# Altium PCB Wl-FRONT.PcbDoc
Units mm, origin at the board's own origin, x right, y up, seen from the top; angles counter-clockwise.
Board outline 140 x 64.5 mm, 2 copper layers (Top Layer, Bottom Layer), stack 1.671 mm thick; 48 components, 51 nets, 275 pads, 206 vias.
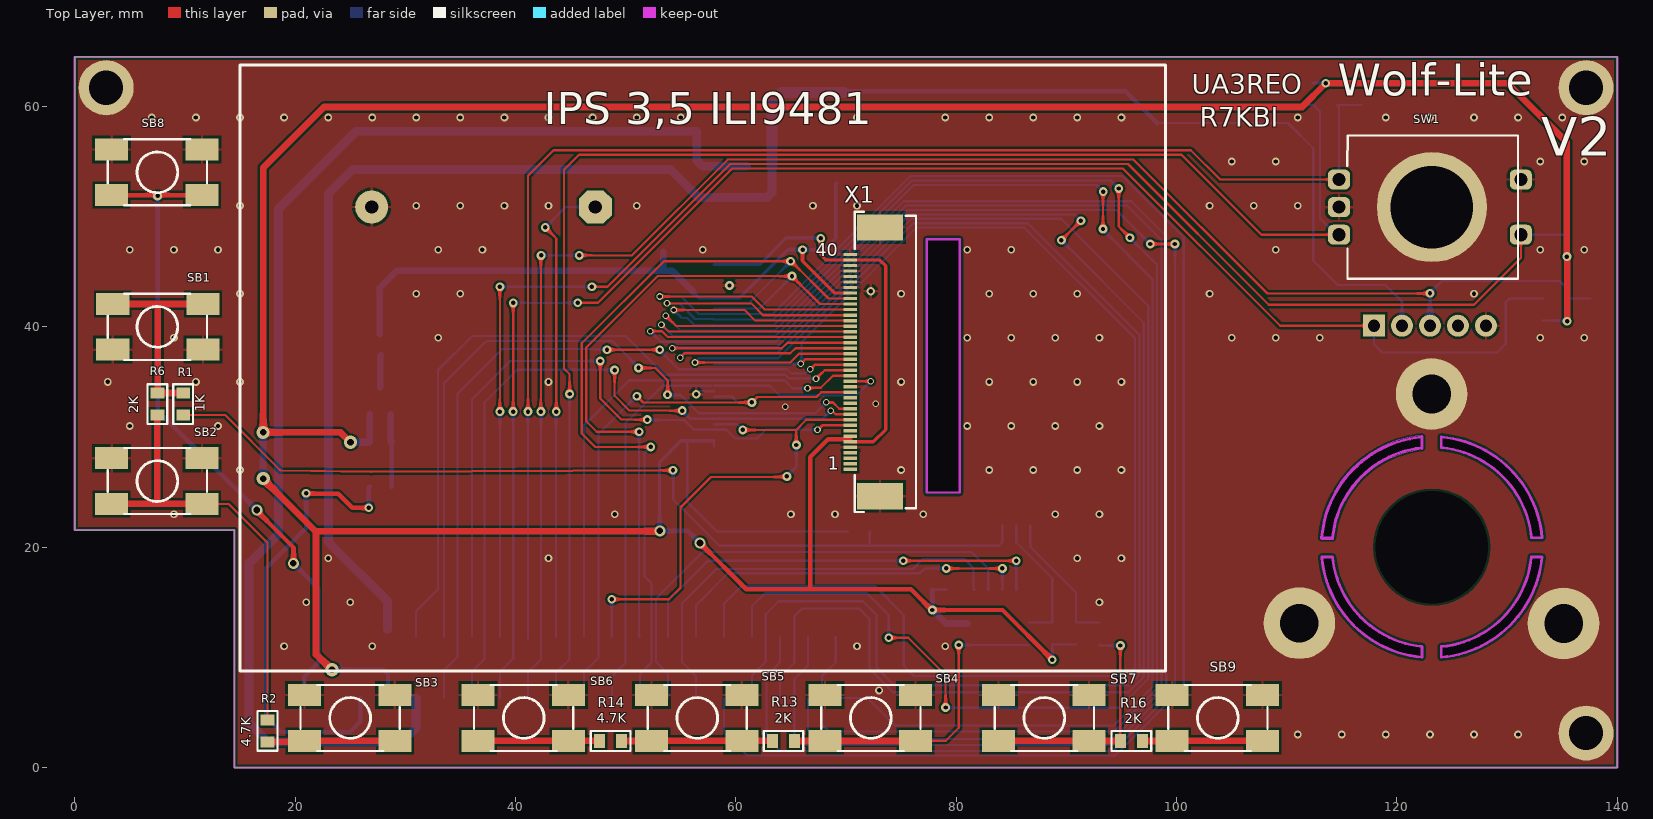
[diagram p0: Top Layer view]
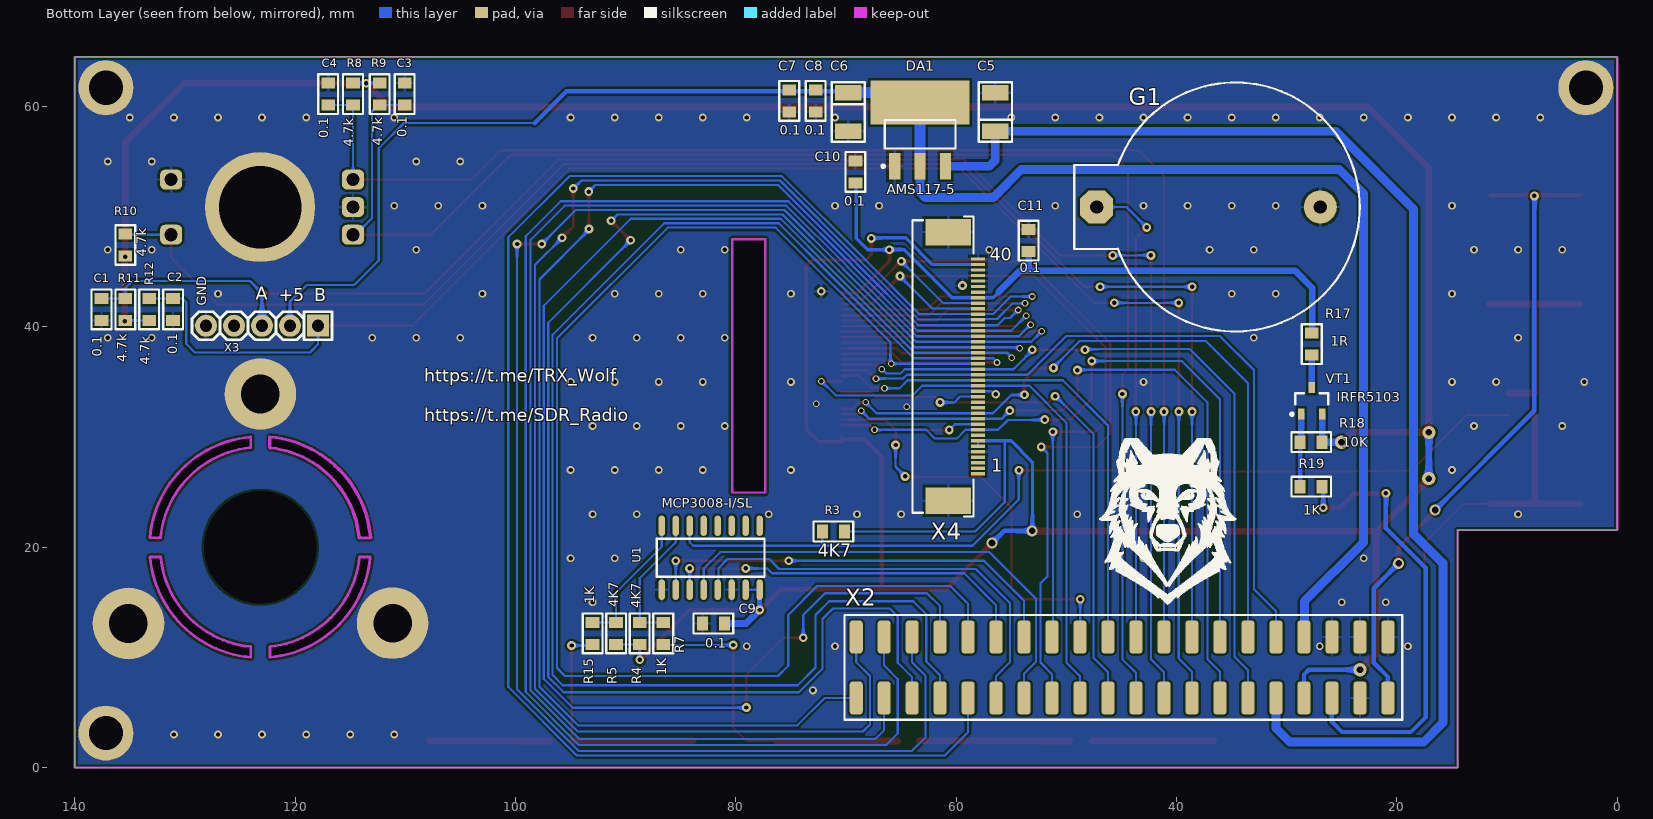
[diagram p1: Bottom Layer view, seen from below]

## Layer stack, top to bottom
Top Solder: solder mask 0.0102, Solder Resist, Dk 3.5
Top Layer: signal copper 0.0356
Dielectric 1: dielectric 1.6, FR-4, Dk 4.8
Bottom Layer: signal copper 0.0356
Bottom Solder: solder mask 0.0102, Solder Resist, Dk 3.5

## Board outline
0,21.55 0,64.5 140,64.5 140,0 14.5,0 14.5,21.55
cut-out: 113.138,20.756 ccw(c113.225,20.85) 113.225,20.722 114.15,20.722 ccw(c114.15,20.85) 114.277,20.85 ccw(c114.15,20.85) 114.277,20.851 ccw(c114.152,20.872) 114.279,20.86 cw(c123.175,20) 122.242,28.889 ccw(c122.229,29.016) 122.346,28.966 ccw(c122.25,29.05) 122.377,29.05 122.377,29.975 ccw(c122.25,29.975) 122.306,30.089 ccw(c122.229,29.988) 122.217,30.115 ccw(c123.175,20) 113.054,20.888 ccw(c113.18,20.877)
cut-out: 113.179,19.098 ccw(c123.175,20) 122.269,10.004 122.275,10.025 122.275,10.975 122.273,10.984 cw(c123.175,20) 114.16,19.089 114.15,19.1
cut-out: 124.039,10.004 ccw(c123.175,20) 133.168,19.101 133.15,19.1 132.2,19.1 cw(c123.175,20) 124.048,10.972 124.025,10.975
cut-out: 124.024,29.036 cw(c123.175,20) 132.209,20.869 132.225,20.85 133.175,20.85 133.176,20.848 ccw(c123.175,20) 124.029,30 124.025,29.975
cut-out: 77.325,24.95 80.325,24.95 80.325,47.95 77.325,47.95

## Design rules (kind name [scope] priority, off if disabled: settings)
Clearance [All] p1: gap=0.2 ignorepadtopadclearanceinfootprint=FALSE except(0: Arc-Hole Track-Hole SMDPad-Hole THPad-Hole Via-Hole Fill-Hole Poly-Hole Region-Hole Text-Hole)
ComponentClearance [All] p1: gap=0 collisioncheckmode=3 verticalgap=0 showdistances=FALSE
PolygonConnect [All] p1: connectstyle=Relief reliefconductorwidth=0.254 reliefentries=4 polygonreliefangle="90 Angle" airgapwidth=0.254
RoutingVias [All] p1: holewidth=0.4 width=0.8 viastyle="Through Hole" minholewidth=0.3 minwidth=0.6 maxholewidth=4 maxwidth=5
SolderMaskExpansion [All] p1: expansion=0.102 istentingtop=FALSE
Width [All] p1: maxlimit=1 minlimit=0.15 preferedwidth=0.2
29 further rules are at their usual default settings.

## Components (designator, comment, footprint, x,y, rotation, side; value= is the part's Value field where it differs from the comment)
C1 "0.1" CH0805C 137.575,41.575 r270 bottom
C2 "0.1" CH0805C 131.075,41.575 r270 bottom
C3 "0.1" CH0805C 110.05,61.125 r90 bottom
C4 "0.1" CH0805C 117,61.125 r90 bottom
C5 "10uF 10V" TANTAL_B 56.446,59.5 r90 bottom
C6 "10uF 10V" TANTAL_B 69.8,59.5 r270 bottom
C7 "0.1" CH0805C 75.15,60.5 r270 bottom
C8 "0.1" CH0805C 72.75,60.5 r270 bottom
C9 "0.1" CH0805C 82.03,13.076 r180 bottom
C10 "0.1" CH0805C 69.15,54.056 r90 bottom
C11 "0.1" CH0805C 53.425,47.828 r90 bottom
DA1 "AMS117-5" SOT223 63.275,57.475 r90 bottom
G1 "3V" "BAT: CH224-2032" 37.1,50.875 r180 bottom
R1 "1K" CH0805R 9.842,32.988 r90 top
R2 "4.7K" CH0805R 17.495,3.325 r270 top
R3 "4K7" CH0805R 71.15,21.427 r180 bottom
R4 "4K7" CH0805R 88.724,12.176 r270 bottom
R5 "4K7" CH0805R 90.863,12.176 r270 bottom
R6 "2K" CH0805R 7.5,32.988 r270 top
R7 "1K" CH0805R 86.585,12.176 r270 bottom
R8 "4.7k" CH0805R 114.75,61.125 r270 bottom
R9 "4.7k" CH0805R 112.325,61.125 r270 bottom
R10 "4.7k" CH0805R 135.408,47.425 r90 bottom
R11 "4.7k" CH0805R 135.408,41.575 r90 bottom
R12 "4.7k" CH0805R 133.242,41.575 r90 bottom
R13 "2K" CH0805R 64.327,2.413 r180 top
R14 "4.7K" CH0805R 48.64,2.413 r180 top
R15 "1K" CH0805R 93.002,12.176 r270 bottom
R16 "2K" CH0805R 95.9,2.413 r0 top
R17 "1R" CH0805R 27.727,38.429 r90 bottom
R18 "10K" CH0805R 27.777,29.527 r180 bottom
R19 "1K" CH0805R 27.777,25.488 r180 bottom
SB1 "\"Кнопка\"" "BUT: 5X5" 7.5,40 r0 top
SB2 "\"Кнопка\"" "BUT: 5X5" 7.5,26 r180 top
SB3 "\"Кнопка\"" "BUT: 5X5" 25,4.5 r180 top
SB4 "\"Кнопка\"" "BUT: 5X5" 72.25,4.5 r180 top
SB5 "\"Кнопка\"" "BUT: 5X5" 56.5,4.5 r180 top
SB6 "\"Кнопка\"" "BUT: 5X5" 40.75,4.5 r180 top
SB7 "\"Кнопка\"" "BUT: 5X5" 88,4.5 r180 top
SB8 "\"Power\"" "BUT: 5X5" 7.5,54.025 r180 top
SB9 "\"Кнопка\"" "BUT: 5X5" 103.75,4.5 r180 top
SW1 "PEC12" Valkoder-m2 123.351,51.413 r270 top
U1 "MCP3008-I/SL" 16-SOIC 82.285,19.016 r270 bottom
VT1 "IRFR5103" SOT23_132 27.723,33.274 r90 bottom
X1 "IPS 3.5" "FPC-40P 0.5mm" 73.9,36.8 r0 top
X2 "FPC 0.5" "CON: PBD2x20" 19.76,6.335 r0 bottom locked
X3 "Valcoder" "CON: PLS-5" 123,40.1 r0 bottom
X4 "IPS 3.5" "IPS 3.5 ILI9481" 15.5,63.6 r0 bottom

## Footprints (in the part's own frame and the unit in brackets; to place one, negate y for a bottom-side part, rotate by r counter-clockwise, add the part's x,y. Pads: shape width x height; smd on the part's side, far side on the other; paste and mask are expansions set on the pad)
16-SOIC [mm]
  oval 1.85x0.6 smd: 1(-2.925,4.448) 2(-2.925,3.178) 3(-2.925,1.908) 4(-2.925,0.638) 5(-2.925,-0.632) 6(-2.925,-1.902) 7(-2.925,-3.172) 8(-2.925,-4.442) 9(2.875,-4.442) 10(2.875,-3.172) 11(2.875,-1.902) 12(2.875,-0.632) 13(2.875,0.638) 14(2.875,1.908) 15(2.875,3.178) 16(2.875,4.448)
  round 0.7 on Bottom Overlay: 10(-2.9,5.4)
  round 0.7 on Mech2: 25(-2.5,4.3)
  silkscreen extent -1.75,-4.9 1.7,4.9, body extent -3.09,-5.01 3.04,4.96, height 1.73
"BAT: CH224-2032" [mm] "Батарейный отсек для элемента 2032"
  oct 3x3 hole 1.2: 1(-10.151,0)
  round 3 hole 1.2: 2(10.152,0)
  silkscreen extent -12.19,-11.3 13.72,11.3, body extent -11.08,-11 13.42,11, height 8.5
"BUT: 5X5" [mm]
  rect 3x2 smd: 1(-4.05,2.075) 1(4.15,2.075) 2(-4.05,-2.075) 2(4.15,-2.075)
  silkscreen extent -4.5,-3 4.5,3, body extent -3.4,-2.53 3.55,2.57, height 1.5
CH0805C [mm] "Chip Capacitor, 2-Leads, Body 2,00x1,20mm, IPC Medium Density"
  rect 1x1.25 smd: 1(-1,0) 2(1,0)
  silkscreen extent -1.8,-0.9 1.8,0.9, body extent -1,-0.62 1,0.63, height 0.78
CH0805R [mm]
  rect 1x1.25 smd: 1(-1,0) 2(1,0)
  silkscreen extent -1.8,-0.9 1.8,0.9, body extent -1,-0.6 1,0.6, height 0.44
"CON: PBD2x20" [mm]
  round 0.5 on Bottom Overlay: 0(-0.945,-4.715)
  rrect50% 1.2x3 smd: 1(1.055,0.025) 2(1.055,-5.515) 3(3.595,0.025) 4(3.595,-5.515) 5(6.135,0.025) 6(6.135,-5.515) 7(8.675,0.025) 8(8.675,-5.515) 9(11.215,0.025) 10(11.215,-5.515) 11(13.755,0.025) 12(13.755,-5.515) 13(16.295,0.025) 14(16.295,-5.515) 15(18.835,0.025) 16(18.835,-5.515) 17(21.375,0.025) 18(21.375,-5.515) 19(23.915,0.025) 20(23.915,-5.515) 21(26.459,0.025) 22(26.459,-5.515) 23(28.999,0.025) 24(28.999,-5.515) 25(31.539,0.025) 26(31.539,-5.515) 27(34.079,0.025) 28(34.079,-5.515) 29(36.619,0.025) 30(36.619,-5.515) 31(39.159,0.025) 32(39.159,-5.515) 33(41.699,0.025) 34(41.699,-5.515) 35(44.239,0.025) 36(44.239,-5.515) 37(46.779,0.025) 38(46.779,-5.515) 39(49.319,0.025) 40(49.319,-5.515)
  round 0.5 on Mech2: ""(0.455,-4.715)
  silkscreen extent -0.25,-7.5 50.37,2, body extent -0.25,-6.07 50.56,0.47, height 7.5
"CON: PLS-5" [mm]
  rect 2x2 hole 1.1: 1(-5.08,0)
  round 2 hole 1.1: 2(-2.54,0) 3(0,0) 4(2.54,0) 5(5.08,0)
  silkscreen extent -6.35,-1.27 6.35,1.27, body extent -6.35,-1.27 6.35,1.27, height 8.54
"FPC-40P 0.5mm" [mm]
  rect 1.25x0.3 smd: 1(-3.506,-9.738) 2(-3.506,-9.238) 3(-3.506,-8.738) 4(-3.506,-8.238) 5(-3.506,-7.738) 6(-3.506,-7.238) 7(-3.506,-6.738) 8(-3.506,-6.238) 9(-3.506,-5.738) 10(-3.506,-5.238) 11(-3.506,-4.738) 12(-3.506,-4.238) 13(-3.506,-3.738) 14(-3.506,-3.238) 15(-3.506,-2.738) 16(-3.506,-2.238) 17(-3.506,-1.738) 18(-3.506,-1.238) 19(-3.506,-0.738) 20(-3.506,-0.238) 21(-3.506,0.262) 22(-3.506,0.762) 23(-3.506,1.262) 24(-3.506,1.762) 25(-3.506,2.262) 26(-3.506,2.762) 27(-3.506,3.262) 28(-3.506,3.762) 29(-3.506,4.262) 30(-3.506,4.762) 31(-3.506,5.262) 32(-3.506,5.762) 33(-3.506,6.262) 34(-3.506,6.762) 35(-3.506,7.262) 36(-3.506,7.762) 37(-3.506,8.262) 38(-3.506,8.762) 39(-3.506,9.262) 40(-3.506,9.762)
  rect 4.15x2.4 smd: 41(-0.806,-12.188) 41(-0.806,12.212)
  round 0.5 on Top Overlay: ""(-4.006,-10.488)
  round 0.5 on Mech1: ""(-3.406,-12.538)
  silkscreen extent -3.11,-13.61 2.44,13.64, body extent -3.91,-13.11 2.29,13.14, height 1.88
"IPS 3.5 ILI9481" [mm] "IPS 3.5 ILI9481"
  rect 1.25x0.3 smd: 1(42.525,36.95) 2(42.525,36.45) 3(42.525,35.95) 4(42.525,35.45) 5(42.525,34.95) 6(42.525,34.45) 7(42.525,33.95) 8(42.525,33.45) 9(42.525,32.95) 10(42.525,32.45) 11(42.525,31.95) 12(42.525,31.45) 13(42.525,30.95) 14(42.525,30.45) 15(42.525,29.95) 16(42.525,29.45) 17(42.525,28.95) 18(42.525,28.45) 19(42.525,27.95) 20(42.525,27.45) 21(42.525,26.95) 22(42.525,26.45) 23(42.525,25.95) 24(42.525,25.45) 25(42.525,24.95) 26(42.525,24.45) 27(42.525,23.95) 28(42.525,23.45) 29(42.525,22.95) 30(42.525,22.45) 31(42.525,21.95) 32(42.525,21.45) 33(42.525,20.95) 34(42.525,20.45) 35(42.525,19.95) 36(42.525,19.45) 37(42.525,18.95) 38(42.525,18.45) 39(42.525,17.95) 40(42.525,17.45)
  rect 4.15x2.4 smd: 41(45.225,15) 41(45.225,39.4)
  round 0.5 on Bottom Overlay: ""(42.025,16.7)
  round 0.5 on Mech2: ""(42.625,14.65)
  silkscreen extent 42.93,13.57 48.48,40.83, body extent 42.13,14.07 48.33,40.32, height 1.88
SOT23_132 [mm] "SOT23, 3-Leads, Body 3,0x2,6mm (max), Pitch 0,95mm, IPC Medium Density"
  rect 1x0.6 smd: 1(-1.2,0.95) 2(-1.2,-0.95) 3(1.2,0)
  round 0.5 on Mech2: ""(-0.9,1.1)
  silkscreen extent -1.32,-1.5 0.7,1.92, body extent -1.32,-1.52 1.32,1.52, height 1.12
SOT223 [mm] "SOT223, 4-Leads, Body 6,50x7,00mm (avg), Pitch 2,30mm, IPC Medium Density"
  rect 2.4x1 smd: 1(-2.9,2.3) 2(-2.9,0) 3(-2.9,-2.3)
  rect 4x9 smd: 4(2.9,0)
  round 0.5 on Mech2: ""(-3,2.7)
  silkscreen extent -3.02,-3.2 1.3,3.48, body extent -3.48,-3.25 3.48,3.25, height 1.65
TANTAL_B [mm]
  rect 1.4x2.4 smd: 1(-1.75,0) 2(1.75,0)
  round 0.5 on Mech2: ""(-1.4,1)
  silkscreen extent -2.7,-1.5 2.7,1.5, body extent -1.85,-1.46 1.85,1.47, height 2.03
Valkoder-m2 [mm]
  rrect50% 1.8x2 hole 1.2: 1(-1.95,-8.6) 2(0.55,-8.6) 3(3.05,-8.6) 4(-1.95,7.9) 5(3.05,7.9)
  round 10 hole 7.5: 2(0.55,-0.175)
  silkscreen extent -5.95,-7.85 7.05,7.65, body extent -5.97,-7.9 7.12,7.22, height 23.7

## Part data
C1 C2 C3 C4 C7 C8 C9 C10 C11: library part Capacitor
C5 C6: library part TantalCap
DA1: library part AMS117
G1: library part POWER_BAT
R1 R2 R3 R4 R5 R6 R7 R8 R9 R10 R11 R12 R13 R14 R15 R16 R17 R18 R19: library part Resistor
SB1 SB2 SB3 SB4 SB5 SB6 SB7 SB8 SB9: library part "Tactile switches", "6x6 mm"
SW1: "Encoder"
VT1: library part N-KANAL
X1 X4: library part "LCD-IPS 3.5"
X2: library part FPC-45-0.5, System=Connector
X3: library part 5-Connector

## Free pads (board coordinates)
  round 6.5 hole 3.5: 2(111.15,13.1) 2(123.15,33.9) 2(135.125,13.075)
  round 0.1 hole 10.2: 4(123.175,20)
  round 5 hole 3.1: 12(2.85,61.7) 12(137.173,3.126) 12(137.173,61.7)

## Via types
v1: diameter 0.7, hole 0.4, Top Layer to Bottom Layer, tented both sides, 117 vias
v2: diameter 0.8, hole 0.4, Top Layer to Bottom Layer, tented both sides, 62 vias
v3: diameter 0.6, hole 0.4, Top Layer to Bottom Layer, tented both sides, 19 vias
v4: diameter 1.2, hole 0.6, Top Layer to Bottom Layer, tented both sides, 4 vias
v5: diameter 1, hole 0.6, Top Layer to Bottom Layer, tented both sides, 4 vias

## Nets (pads, with @x,y where several pads share a name; then routed paths per layer and width w, separated by ;. In a path a pad name is that pad's centre, name@x,y a point inside that pad or via, vN(x,y) a via of type N, cw(c..) or ccw(c..) an arc to the next point about the centre after c; other vN are vias at no path point)
+3.3V: C9.2 R3.2 R4.2 R5.2 R8.1 R9.1 R10.1 R11.1 R12.1 R18.2 U1.15 U1.16 VT1.2 X1.6 X1.7 X1.39 X2.7 X4.6 X4.7 X4.39 | length 381.8
  Top Layer w0.2: X1.6 70.394,29.8 X1.7
  Top Layer w0.3: v2(67.706,48.027) 67.706,46.569 68.213,46.062 X1.39 73.063,46.062 73.6,45.525 73.6,43.075 ; X1.6 72.487,29.562 73.6,30.675 73.6,43.075 ; 73.587,43.062 73.6,43.075
  Top Layer w0.4: v5(56.75,20.375) 60.95,16.175 66.75,16.175 ; 70.394,29.8 68.375,29.8 66.75,28.175 66.75,16.175 ; v2(88.725,9.775) 84.204,14.296 v2(77.845,14.296) 77.779,14.296 75.9,16.175 66.75,16.175
  Top Layer w0.6: v4@17.15,26.15 21.9,21.4 ; v4(23.35,8.875) 23.325,8.875 21.95,10.25 21.9,10.25 21.9,21.4 ; v4(25.025,29.525) 24.13,30.42 v4(17.093,30.42) 17.1,30.427 17.1,54.425 22.625,59.95 111.4,59.95 v2(113.55,62.1) 130.05,62.1 135.425,56.725 v2(135.425,46.375) 135.45,46.35 v2(135.45,40.5) ; v5@53.025,21.45 21.95,21.45 21.9,21.4
  Bottom Layer w0.2: 55.625,29.65 55.6,29.625 55.6,24.1 58.273,21.427 R3.2 ; X4.6 X4.7 ; v2@77.825,14.375 v2@77.837,14.387 ; U1.16 U1.15 ; v2(88.725,9.775) 88.725,11.175 R4.2 R5.2 ; R9.1 R8.1 ; R12.1 R11.1
  Bottom Layer w0.3: R18.2@26.758,29.516 R18.2@26.773,29.531 ; v5(53.1,21.475) 53.075,21.5 53.075,27.725 55,29.65 55.625,29.65 X4.7 ; X4.39 62.15,45.65 64.575,48.075 67.658,48.075 v2(67.706,48.027)
  Bottom Layer w0.4: v4(17.093,30.42) v4@17.1,30.413 ; v4@23.625,8.875 28,8.875 28.435,8.44 X2.7 ; v5(53.1,21.475) 55.65,21.475 v5(56.75,20.375) ; v2@77.837,14.387 U1.16
  Bottom Layer w0.6: v4(17.1,26.225) v4@17.1,30.413 ; v4(25.025,29.525) 26.75,29.525 R18.2@26.758,29.516 ; R18.2@26.773,29.531 VT1.2 ; v2(77.845,14.296) 79.064,13.076 C9.2
+5V: C6.1 C7.1 C8.1 DA1.2 DA1.4 X2.8 X3.2 | length 171.3
  Bottom Layer w0.2: DA1.4 DA1.4@64.15,61.25 ; C6.1 69.925,61.375 70.05,61.5 C8.1 C7.1 ; 98.26,58.49 110.11,58.49 112.4,56.2 112.4,46.025 114.625,43.8 118.95,43.8 120.46,42.29 X3.2
  Bottom Layer w0.4: C6.1@69.925,61.375 95.375,61.375 98.26,58.49
  Bottom Layer w0.8: X2.8@28.4,12.55 28.4,15.075 23.025,20.45 23.025,52.075 25.225,54.275 54.1,54.275 56.65,51.725 62.8,51.725 63.275,52.2 DA1.2
  Bottom Layer w1: DA1.2 DA1.4 ; DA1.4@64.15,61.25 C6.1
+8Power: C5.1 DA1.3 X2.9 | length 115.1
  Bottom Layer w0.8: X2.9 30.975,3.575 29.703,2.303 17.589,2.303 15.825,4.067 15.825,18.55 18.5,21.225 18.5,50.7 25.55,57.75 C5.1 56.446,55.104 56.975,54.575 DA1.3
AD1_CS: U1.10@85.457,16.141 X2.28 | length 39.4
  Top Layer w0.2: v2(75.2,18.769) v2(85.452,18.769) ; v2@85.29,19.011 v2@85.452,19.011
  Bottom Layer w0.2: X2.28 53.839,15.139 57.469,18.769 v2(75.2,18.769) ; U1.10@85.457,16.141 v2@85.457,19.011
ENC2_CLK: C3.1 R9.2 SW1.3 X2.19 | length 137.7
  Top Layer w0.2: v2(44.916,33.902) 44.916,35.691 44.4,36.207 44.4,54.25 45.774,55.624 100.451,55.624 107.712,48.363 SW1.3
  Bottom Layer w0.2: X2.19 43.675,8.6 44.916,9.841 v2(44.916,33.902) ; C3.1@110.233,60.125 112.45,60.125 113.025,59.55 113.025,49.85 114.512,48.363 SW1.3
ENC2_DT: C4.1 R8.2 SW1.1 X2.18 | length 126.9
  Top Layer w0.2: v2(41.14,32.302) 41.14,53.715 43.449,56.024 101.301,56.024 103.962,53.363 SW1.1
  Bottom Layer w0.2: X2.18@41.125,11.7 v2@41.125,32.525 ; R8.2@114.549,60.125 114.751,59.923 SW1.1 ; R8.2@114.699,60.125 C4.1@116.841,60.125
ENC2_SW: R10.2 SW1.5 X2.16 | length 142
  Top Layer w0.2: v2(38.585,32.302) v2@38.585,43.435 ; v2(46.94,43.635) 48.36,43.635 59.5,54.775 95.6,54.775 108.375,42 127,42 131.251,46.251 SW1.5
  Bottom Layer w0.2: v2(38.593,43.635) v2(46.94,43.635) ; X2.16 v2@38.595,32.12 ; SW1.5 R10.2@135.408,48.363
ENC_CLK: C2.1 R12.2 X2.15 X3.1 | length 146.9
  Top Layer w0.2: v2(39.79,32.302) v2@39.79,42.16 ; v2(45.66,42.191) 47.491,42.191 59.675,54.375 95.125,54.375 109.4,40.1 X3.1
  Bottom Layer w0.2: X2.15 38.595,8.695 39.8,9.9 v2@39.8,32.4 ; v2(39.792,42.173) v2@45.452,42.173 ; X3.1 117.92,38.405 118.65,37.675 129.1,37.675 129.875,38.45 129.875,42.225 130.225,42.575 C2.1 R12.2
ENC_DT: C1.1 R11.2 X2.17 X3.3 | length 149.1
  Top Layer w0.2: v2(42.307,32.302) v2@42.307,46.468 ; v2(45.796,46.483) 50.583,46.483 59.275,55.175 96.1,55.175 108.25,43.025 v2@122.975,43.025
  Bottom Layer w0.2: X2.17 41.135,8.635 42.325,9.825 v2@42.325,32.525 ; v2(42.326,46.485) v2@45.74,46.485 ; X3.3 v2@123,42.925 ; v2(123,43.05) 124.1,44.15 134.75,44.15 135.408,43.492 R11.2 C1.1
FSMC_A18: X1.10 X2.24 X4.10 | length 45.7
  Top Layer w0.2: v2(48.741,15.273) 53.923,15.273 54.975,16.325 54.975,23.6 57.75,26.375 64.581,26.375 v2(64.631,26.425) ; v2(60.632,30.64) 65.475,30.64 ; v2(65.5,29.275) 65.475,29.3 65.475,29.345 65.475,30.64 ; X1.10 66.397,31.562 65.475,30.64
  Bottom Layer w0.2: v2(48.741,15.273) 48.741,11.868 X2.24 ; X4.10 60.125,31.15 60.55,30.725 v2@60.575,30.725 ; v2(64.631,26.425) 65.5,27.294 v2(65.5,29.275)
FSMC_D0: X1.17 X2.23 X4.17 | length 51.5
  Top Layer w0.2: X1.17 72.187,35.062 v3@72.2,35.075
  Bottom Layer w0.2: X2.23 48.759,8.284 50,9.525 50,31.3 53.35,34.65 X4.17@57.725,34.65 ; X4.17 63.075,34.65 63.95,33.775 70.943,33.775 v3(72.235,35.067)
FSMC_D1: X1.18 X2.22 X4.18 | length 45.8
  Top Layer w0.2: v3(66.508,34.408) 66.563,34.462 67.712,34.462 68.812,35.562 X1.18
  Bottom Layer w0.2: X2.22 46.219,31.044 50.325,35.15 X4.18 64.409,35.15 65.134,34.425 v3@66.5,34.425
FSMC_D2: X1.19 X2.10 X4.19 | length 65.6
  Top Layer w0.2: v3(67.275,35.276) 68.061,36.062 X1.19
  Bottom Layer w0.2: X2.10 30.975,14.175 32.975,16.175 32.975,36.075 36.075,39.175 50,39.175 53.525,35.65 X4.19 64.475,35.65 64.825,35.3 v3@67.2,35.3
FSMC_D3: X1.20 X2.11 X4.20 | length 66.8
  Top Layer w0.2: v2(48.306,37.919) 48.308,37.917 53.089,37.917 v2(53.092,37.914) ; v3(66.757,36.15) 66.781,36.15 67.194,36.562 X1.20
  Bottom Layer w0.2: X2.11 33.515,8.84 34.75,10.075 34.75,33.95 38.775,37.975 48.25,37.975 v2(48.306,37.919) ; v2@53.05,37.9 54.8,36.15 X4.20 64.675,36.15 65.075,35.75 66.309,35.75 66.709,36.15 v3(66.757,36.15)
FSMC_D4: X1.21 X2.32 X4.21 | length 130.5
  Top Layer w0.2: v3(65.89,36.662) 65.938,36.662 66.339,37.062 X1.21
  Bottom Layer w0.2: X4.21 v3@65.875,36.65 ; X2.32 58.919,14.869 60.525,16.475 72.625,16.475 75.25,13.85 75.25,9.225 76.175,8.3 95.5,8.3 96.225,9.025 96.225,38.95 86.175,49 76.375,49 65.967,38.592 65.967,36.738 v3(65.89,36.662)
FSMC_D5: X1.22 X2.33 X4.22 | length 143.9
  Top Layer w0.2: v3(56.295,36.761) 64.927,36.761 65.728,37.562 X1.22
  Bottom Layer w0.2: v3@56.3,36.825 56.625,37.15 X4.22 63.85,37.15 71.45,44.75 76.1,49.4 86.5,49.4 96.625,39.275 96.625,8.391 95.709,7.475 74.375,7.475 72.775,9.075 72.775,13.85 71.525,15.1 63.9,15.1 62.725,13.925 62.725,9.625 61.459,8.359 X2.33
FSMC_D6: X1.23 X2.34 X4.23 | length 148
  Top Layer w0.2: v3(54.95,37.2) 55.35,37.6 64.95,37.6 65.412,38.062 X1.23 ; v2(73.875,11.775) 75.65,11.775 79.041,8.384 v2(79.041,5.453)
  Bottom Layer w0.2: v3(54.95,37.2) 55.4,37.65 X4.23 63.784,37.65 71.05,44.916 75.934,49.8 89.533,49.8 97.425,41.908 97.425,8.06 94.79,5.425 v2@79.2,5.425 ; X2.34 61.459,14.634 62.65,15.825 71.9,15.825 73.875,13.85 v2(73.875,11.775)
FSMC_D7: X1.24 X2.35 X4.24 | length 150.2
  Top Layer w0.2: v3(54.225,38.05) 64.175,38.05 64.687,38.562 X1.24 ; v2(89.55,47.85) 91.315,49.615 v2(91.315,49.623)
  Bottom Layer w0.2: v3(54.225,38.05) 54.333,38.05 54.433,38.15 63.718,38.15 70.65,45.082 75.768,50.2 90.738,50.2 91.263,49.675 v2@91.275,49.675 ; X2.35 X2.35 64,8.2 65.3,9.5 65.3,13.7 66.025,14.425 71.175,14.425 72.125,13.475 72.125,8.975 74.275,6.825 95.625,6.825 97.025,8.225 97.025,40.375 v2(89.55,47.85)
FSMC_D8: X1.25 X2.36 X4.25 | length 162.4
  Top Layer w0.2: v3(52.225,39.6) 53.301,39.6 53.826,39.075 70.382,39.075 X1.25 ; v2(97.608,47.513) 99.801,47.513 v2@99.853,47.461
  Bottom Layer w0.2: v3(52.225,39.6) 53.175,38.65 63.652,38.65 70.25,45.248 70.25,45.272 75.578,50.6 94.525,50.6 v2@97.5,47.625 ; X2.36 63.999,9.524 62.775,8.3 62.775,2.75 64.025,1.5 94.259,1.5 99.853,7.094 v2@99.853,47.461
  other v2: 99.853,47.513
FSMC_D9: X1.26 X2.37 X4.26 | length 147.5
  Top Layer w0.2: v3(53.25,40.2) 53.266,40.2 53.904,39.562 X1.26
  Bottom Layer w0.2: v3(53.25,40.2) 54.3,39.15 63.587,39.15 69.85,45.413 69.85,45.438 75.412,51 95.525,51 98.625,47.9 98.625,6.997 94.228,2.6 67.325,2.6 66.539,3.386 X2.37
FSMC_D10: X1.27 X2.38 X4.27 | length 156.1
  Top Layer w0.2: v3(53.65,41) 54.567,40.083 70.373,40.083 X1.27
  Bottom Layer w0.2: v3(53.65,41) 55,39.65 X4.27 63.521,39.65 69.45,45.579 69.45,45.603 75.247,51.4 95.9,51.4 99.075,48.225 99.075,6.881 94.244,2.05 66.35,2.05 65.3,3.1 65.3,8.025 66.539,9.264 X2.38
FSMC_D11: X1.28 X2.39 X4.28 | length 139.5
  Top Layer w0.2: v3(54.379,41.525) 60.8,41.525 61.763,40.562 X1.28 ; v2(93.326,48.878) 93.326,52.251 v2(93.35,52.275)
  Bottom Layer w0.2: v3(54.379,41.525) 54.379,41.521 55.096,40.804 55.596,40.804 56.25,40.15 X4.28 63.455,40.15 69.05,45.745 69.05,45.769 76.156,52.875 92.75,52.875 v2(93.35,52.275) ; X2.39 71.94,6.31 74.425,3.825 94.322,3.825 97.825,7.328 97.825,44.3 93.326,48.799 v2(93.326,48.878)
FSMC_D12: X1.29 X2.40 X4.29 | length 151.8
  Top Layer w0.2: v3(53.75,42.125) 61.4,42.125 62.475,41.05 70.382,41.05 X1.29 ; v2(94.75,52.55) 94.75,49.105 v2(95.768,48.087)
  Bottom Layer w0.2: v3(53.75,42.125) 54.875,42.125 56.3,40.7 57.975,40.7 X4.29 63.39,40.65 68.65,45.91 68.65,45.935 75.99,53.275 94.025,53.275 v2(94.75,52.55) ; X2.40 69.079,9.554 67.825,8.3 67.825,3.9 68.45,3.275 94.337,3.275 98.225,7.163 98.225,45.63 95.805,48.05 v2@95.725,48.05
FSMC_D13: X1.30 X2.31 X4.30 | length 162.6
  Top Layer w0.2: v3(53.1,42.75) 61.45,42.75 62.638,41.562 X1.30
  Bottom Layer w0.2: v3(53.1,42.75) 55.05,42.75 56.65,41.15 X4.30 63.324,41.15 68.25,46.076 68.25,46.1 75.825,53.675 95.1,53.675 100.65,48.125 100.65,7.325 94.425,1.1 61.025,1.1 58.919,3.206 X2.31
FSMC_D14: X1.31 X2.26 X4.31 | length 66.5
  Top Layer w0.2: v2(51.225,30.475) 47.375,30.475 46.425,31.425 46.425,38.125 52.9,44.6 v2(65.1,44.6) 67.638,42.062 X1.31
  Bottom Layer w0.2: v2(51.225,30.475) 51.225,11.924 X2.26 ; X4.31 62.15,41.65 v2(65.1,44.6)
FSMC_D15: X1.32 X2.25 X4.32 | length 76
  Top Layer w0.2: v2(52.275,29.1) 47.25,29.1 46.025,30.325 46.025,38.5 53.475,45.95 v2(64.975,45.95) 65.025,45.95 68.413,42.562 X1.32
  Bottom Layer w0.2: X2.25 51.299,8.474 52.35,9.525 52.35,16.725 51.7,17.375 51.7,28.525 v2(52.275,29.1) ; X4.32 61.175,42.15 v2(64.975,45.95)
FSMC_NE1: X1.9 X2.14 X4.9 | length 62.7
  Top Layer w0.2: v2(47.7,36.9) 47.7,33.5 49.625,31.575 v2(51.959,31.575) ; v3(67.416,30.663) 67.466,30.663 67.865,31.062 X1.9
  Bottom Layer w0.2: X2.14 36.055,33.43 39.525,36.9 v2(47.7,36.9) ; v2@52.065,31.55 55.3,31.55 56.2,30.65 X4.9 59.15,30.65 59.95,29.85 61.925,29.85 62.725,30.65 v3@67.425,30.65
FSMC_NOE: X1.12 X2.12 X4.12 | length 65.7
  Top Layer w0.2: v2(51.168,36.27) 52.68,36.27 53.825,35.125 53.825,33.868 v2(53.796,33.838) ; v3(68.225,33.15) 68.25,33.125 68.825,33.125 69.388,32.562 X1.12
  Bottom Layer w0.2: X2.12 33.515,34.89 37.325,38.7 48.8,38.7 v2@51.2,36.3 ; v2(53.796,33.838) 53.83,33.805 54.995,33.805 56.65,32.15 67.225,32.15 v3(68.225,33.15)
FSMC_NWE: X1.11 X2.13 X4.11 | length 65.2
  Top Layer w0.2: v2(49,36.071) 49,33.75 50.357,32.393 v2(55.138,32.393) ; v3(68.613,32.381) 68.722,32.381 69.041,32.062 X1.11
  Bottom Layer w0.2: X2.13 36.055,8.705 37.2,9.85 37.2,33.15 40.15,36.1 v2@48.864,36.1 ; v2(55.138,32.393) 55.881,31.65 67.882,31.65 v3(68.613,32.381)
GB-3.3V: G1.1 X2.20 | length 42.9
  Top Layer w0.2: v2(42.7,49.025) 43.698,48.027 43.698,32.523 v2@43.675,32.5
  Bottom Layer w0.2: v2(42.7,49.025) 44.55,50.875 G1.1 ; X2.20 v2@43.675,32.45
  other v2: 43.696,32.302
GND: C1.2 C2.2 C3.2 C4.2 C5.2 C6.2 C7.2 C8.2 C9.1 C10.2 C11.2 DA1.1 G1.2 pad.2 pad.12 SB1.2 SB2.2 SB3.2 SB4.2 SB5.2 SB6.2 SB7.2 SB8.2 SB9.2 SW1.2 SW1.4 U1.9 U1.14 X1.5 X1.16 X1.34 X1.35 X1.36 X1.37 X1.38 X1.40 X1.41 X2.2 X2.3 X2.4 X2.6 X3.5 X4.5 X4.16 X4.34 X4.35 X4.36 X4.37 X4.38 X4.40 X4.41 | length 1.7
  Bottom Layer w0.2: v2(56.403,33.881) 56.551,33.881 56.82,34.15 X4.16
  other v1: 111,3 115,3 119,3 123,3 127,3 131,3 73,7 19,11 27,11 71,11 79,11 21,15 25,15 93,15 23,19 43,19 91,19 95,19 9,23 49,23 65,23 69,23 77,23 89,23 93,23 15,27 75,27 83,27 87,27 91,27 95,27 5,31 13,31 81,31 85,31 89,31 93,31 3,35 11,35 15,35 43,35 75,35 83,35 87,35 91,35 95,35 9,39 33,39 81,39 85,39 89,39 93,39 105,39 109,39 113,39 133,39 137,39 15,43 31,43 35,43 75,43 83,43 87,43 91,43 103,43 127,43 5,47 9,47 13,47 33,47 37,47 57,47 81,47 85,47 109,47 133,47 137,47 15,51 31,51 35,51 39,51 43,51 51,51 67,51 71,51 103,51 107,51 111,51 105,55 109,55 133,55 137,55 7,59 11,59 15,59 19,59 23,59 27,59 31,59 35,59 39,59 43,59 47,59 51,59 55,59 71,59 79,59 83,59 87,59 91,59 95,59 111,59 119,59 123,59 127,59 131,59 135,59
  other v2: 72.251,43.225 59.425,43.75
  other v3: 64.475,32.75 72.686,33.023
LED_PW: R19.2 X2.5 | length 41.4
  Top Layer w0.4: v2@21.007,24.845 23.921,24.845 25.185,23.581 v2(26.685,23.581)
  Bottom Layer w0.4: v2@21,24.725 21,21.725 17.4,18.125 17.4,4.55 18.725,3.225 24.975,3.225 25.895,4.145 X2.5 ; v2(26.685,23.581) 26.685,25.396 R19.2
  other v2: 21,24.887
LED_PWM: C10.1 C11.1 R17.2 X1.33 X4.33 | length 62.7
  Top Layer w0.3: v2(66.058,46.989) 66.05,46.981 66.05,46 68.988,43.062 X1.33
  Bottom Layer w0.3: 53.425,45.125 53.45,45.1 ; 56.15,43.15 56.65,42.65 X4.33 60.375,42.65 64.75,47.025 v2@65.9,47.025 ; v2(66.058,46.989) 68.039,46.989 69.075,48.025 69.075,52.981 C10.1
  Bottom Layer w0.6: R17.2@27.7,39.316 27.7,43.55 29.25,45.1 53.45,45.1 54.2,45.1 56.15,43.15 ; 53.425,45.125 C11.1
NetR1_1: R1.1 R3.1 U1.6 | length 83.7
  Top Layer w0.2: R1.1 13.65,31.988 18.609,27.028 18.668,26.97 26.912,26.85 ccw(c26.925,27.75) 26.929,26.85 v2(54.3,26.975)
  Bottom Layer w0.2: v2(54.3,26.975) 54.325,26.95 54.325,24.325 58.525,20.125 72.15,20.125 ; R3.1 72.15,20.125 ; U1.6 84.187,20.437 83.875,20.125 72.15,20.125
NetR1_2: R1.2 R6.1 SB1.1 | length 18.6
  Top Layer w0.6: SB1.1@3.45,42.075 7.55,42.075 ; R1.2 R6.1 7.55,34.038 7.55,42.075 ; SB1.1@11.65,42.075 7.55,42.075
NetR2_1: R2.1 R6.2 SB2.1 | length 39.8
  Top Layer w0.2: 7.45,23.925 7.5,23.975 ; SB2.1@11.55,23.925 13.975,23.925 17.495,20.405 R2.1
  Top Layer w0.6: SB2.1@3.35,23.925 7.45,23.925 SB2.1@11.55,23.925 ; 7.5,23.975 R6.2
NetR2_2: R2.2 SB3.1 | length 11.6
  Top Layer w0.2: SB3.1@20.75,2.325 SB3.1@20.85,2.425
  Top Layer w0.6: R2.2 SB3.1@20.75,2.325 ; SB3.1@20.85,2.425 SB3.1@29.05,2.425
NetR4_1: R4.1 R7.1 U1.7 | length 12.3
  Bottom Layer w0.2: U1.7 85.457,20.443 88.724,17.176 R4.1 R7.1
NetR5_1: R5.1 R15.1 U1.8 | length 12.6
  Bottom Layer w0.2: U1.8 86.727,20.048 90.863,15.912 R5.1 R15.1
NetR7_2: R7.2 R13.1 SB4.1 | length 29.2
  Top Layer w0.2: SB4.1@76.3,2.425 79.05,2.425 80.225,3.6 v2@80.225,11.075
  Top Layer w0.6: R13.1 76.287,2.413 SB4.1@76.3,2.425
  Bottom Layer w0.2: v2(80.226,11.124) 86.533,11.124 R7.2
NetR13_2: R13.2 R14.1 SB5.1 | length 13.7
  Top Layer w0.6: R14.1 52.338,2.413 52.35,2.425 60.55,2.425 63.315,2.425 R13.2
NetR14_2: R14.2 SB6.1 | length 11
  Top Layer w0.6: SB6.1@36.6,2.425 44.8,2.425 47.627,2.425 R14.2
NetR15_2: R15.2 R16.1 SB7.1 | length 21.7
  Top Layer w0.2: R16.1 v2@94.9,11.1
  Top Layer w0.6: SB7.1@83.85,2.425 92.05,2.425 92.062,2.413 R16.1
  Bottom Layer w0.2: R15.2 93.102,11.075 v2(94.904,11.075)
NetR16_2: R16.2 SB9.1 | length 10.9
  Top Layer w0.6: R16.2 99.588,2.413 99.6,2.425 SB9.1@107.8,2.425
NetR17_1: R17.1 VT1.3 | length 3
  Bottom Layer w0.6: VT1.3 27.723,37.375 R17.1@27.777,37.429
NetR18_1: R18.1 R19.1 VT1.1 | length 6.6
  Bottom Layer w0.4: R19.1 R18.1
  Bottom Layer w0.6: VT1.1 28.673,29.631 R18.1
ON/OFF: SB8.1 X2.1 | length 60.1
  Top Layer w0.4: SB8.1@3.325,51.95 3.35,51.95 SB8.1@11.525,51.95 ; v5@16.55,23.275 19.85,19.975 v5(19.85,18.525)
  Bottom Layer w0.4: v2(7.523,51.878) 7.523,32.377 v5(16.525,23.375) ; v5@19.95,18.425 22.1,16.275 22.1,9.5 20.815,8.215 X2.1
PERI_MISO: U1.12 X2.27 | length 43.9
  Bottom Layer w0.2: X2.27 53.839,8.511 52.75,9.6 52.75,15.322 56.978,19.55 81.425,19.55 82.917,18.058 U1.12
PERI_MOSI: U1.11 X2.30 | length 34
  Top Layer w0.2: v2(79.107,18.069) v2(84.194,18.069)
  Bottom Layer w0.2: X2.30 56.379,14.729 59.275,17.625 76.725,17.625 77.175,18.075 79.101,18.075 v2(79.107,18.069) ; U1.11 84.191,16.144 84.191,18.065 v2(84.194,18.069)
PERI_SCK: U1.13 X2.29 | length 39.6
  Bottom Layer w0.2: X2.29 56.379,8.296 55.125,9.55 55.125,14.925 58.225,18.025 76.075,18.025 76.975,18.925 80.75,18.925 81.575,18.1 81.575,16.213 U1.13
STM_NRST: X1.15 X2.21 X4.15 | length 53.1
  Top Layer w0.2: v2(51.018,33.701) 51.58,33.138 v2(61.459,33.138) 61.946,33.625 67.325,33.625 67.762,34.062 X1.15
  Bottom Layer w0.2: X2.21 46.219,8.644 47.525,9.95 47.525,30.25 50.976,33.701 v2(51.018,33.701) ; X4.15 58.046,33.671 59.654,33.671 60.187,33.138 v2(61.459,33.138) v2@61.489,33.169
pads on no net: C5. C6. DA1. U1.1 U1.2 U1.3 U1.4 U1.5 U1.10@76.885,21.916 U1.25 VT1. X1. X1.1 X1.2 X1.3 X1.4 X1.8 X1.13 X1.14 X2. X2.0 X3.4 X4. X4.1 X4.2 X4.3 X4.4 X4.8 X4.13 X4.14

## Polygon pours and split planes (outlines as drawn)
GND on Bottom Layer "GND" (solid, remove dead copper, pour order 3): 0,64.5 0,21.5 14.5,21.5 14.5,0 140,0 140,64.5
GND on Bottom Layer "Bottom Layer-No Net" (solid, remove dead copper, pour order 0): 0,64.5 140,64.5 140,0 14.5,0 14.5,21.5 0,21.5
GND on Top Layer "GND" (solid, remove dead copper, pour order 4): 0,64.5 0,21.55 0.05,21.5 14.5,21.5 14.5,0 140,0 140,64.5
GND on Top Layer "Top Layer-No Net" (solid, remove dead copper, pour order 2): 0,64.5 0,21.55 0.05,21.5 14.5,21.5 14.5,0 140,0 140,64.5

## Keep-outs
Keep-Out Layer:
  lines w0.2: 0,21.55 14.5,21.55 14.5,0 140,0 140,64.5 0,64.5 0,21.55 ; 77.325,24.95 80.325,24.95 80.325,47.95 77.325,47.95 77.325,24.95
  lines w0.254: 113.179,19.098 ccw(c123.175,20) 122.269,10.004 ; 113.18,20.877 cw(c123.175,20) 122.229,29.988 ; 113.2,19.1 114.15,19.1 ; 113.225,20.85 114.15,20.85 ; 114.152,20.872 cw(c123.175,20) 122.229,29.016 ; 114.16,19.089 ccw(c123.175,20) 122.273,10.984 ; 122.25,29.05 122.25,29.975 ; 122.275,10.025 122.275,10.975 ; 124.024,29.036 cw(c123.175,20) 132.209,20.869 ; 124.025,10.025 124.025,10.975 ; 124.025,29.05 124.025,29.975 ; 124.029,30 cw(c123.175,20) 133.176,20.848 ; 124.039,10.004 ccw(c123.175,20) 133.168,19.101 ; 124.048,10.972 ccw(c123.175,20) 132.2,19.1 133.15,19.1 ; 132.225,20.85 133.175,20.85

## Silkscreen, mask and mechanical layers (free items; w line width, h text height)
Top Overlay:
  lines w0.254: 15,8.75 15,63.75 99,63.75 99,8.75 15,8.75
  text "UA3REO" at 101.375,60.575 h3
  text "Wolf-Lite" at 114.65,60.024 h5
  text "R7KBI" at 102.1,57.575 h3
  text "IPS 3,5 ILI9481" at 42.55,57.434 h5
  text "V2" at 133.1,54.35 h6
  text "40" at 67.275,45.997 h2
  text "1" at 68.325,26.625 h2
Bottom Overlay:
  drawing of 3227 lines, arcs and shapes, not listed
  text "40" at 56.95,45.597 h2
  text "A" at 123.55,42.025 h2
  text "B" at 118.275,41.925 h2
  text "+5" at 121.475,41.9 h2
  text "GND" at 127.725,41.9 h1.5 r270
  text "https://t.me/TRX_Wolf" at 108.3,34.6 h2
  text "https://t.me/SDR_Radio" at 108.3,31 h2
  text "1" at 56.8,26.45 h2

## Dimensions
0,64.5 to 140,64.5 on Size